# Allegro board pc051c_toplevel_209edited.brd (continued)
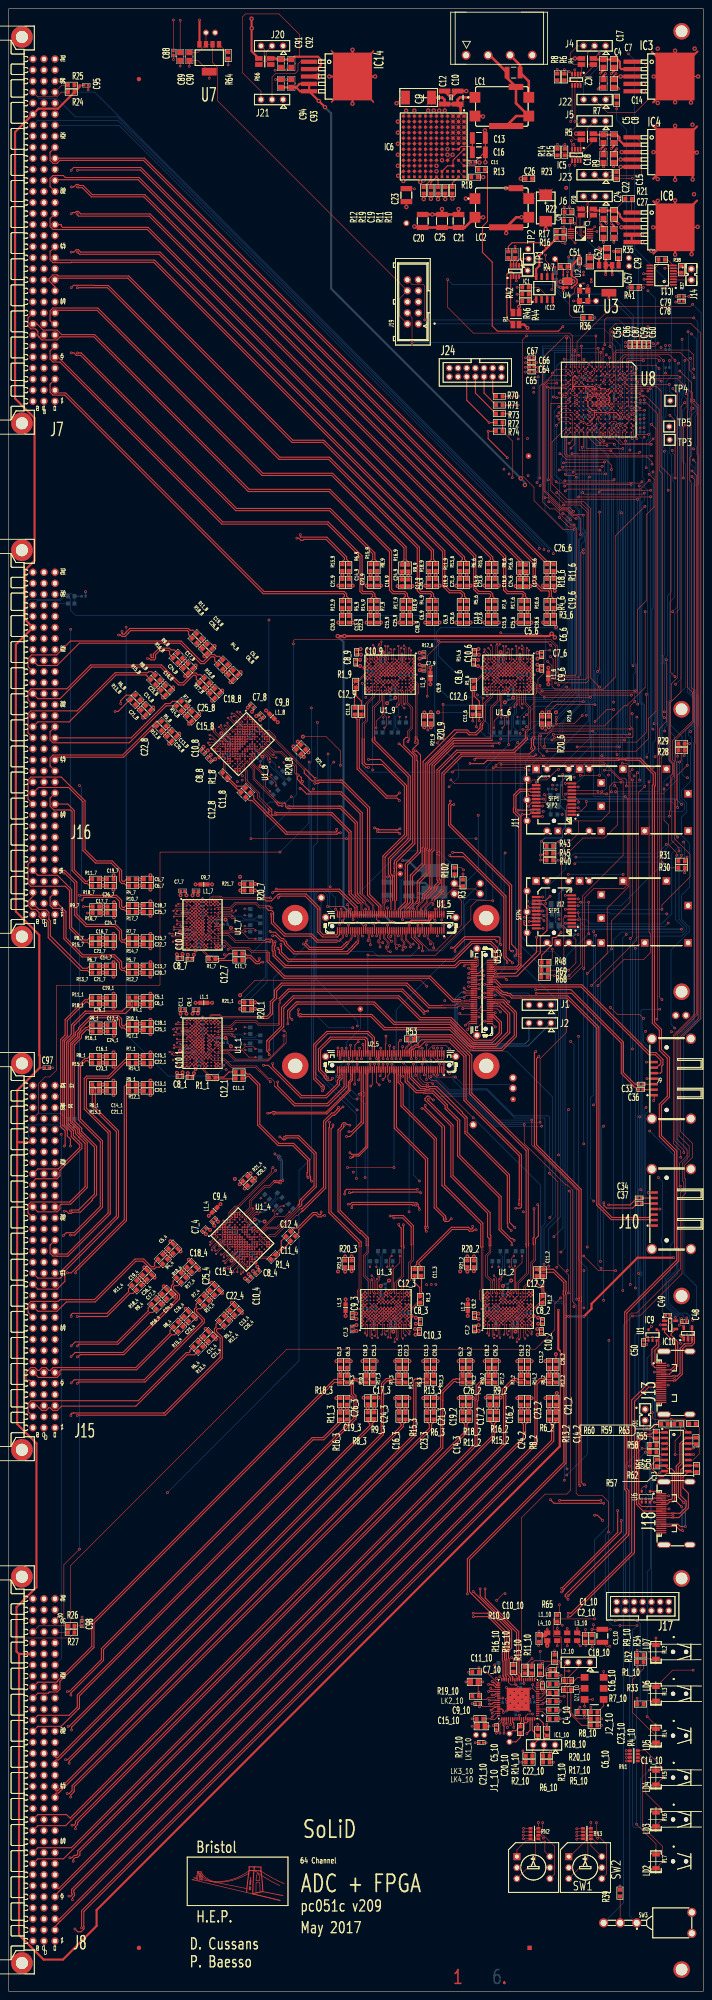
[diagram p0: board, top side]
## Placement (name value [footprint] x y rotation side) (continued)
C28_8  100nF  [C0402]  50.39 288.77 315 bottom
C28_9  100nF  [C0402]  86.65 306.65 270 bottom
C29  22uF  [C0805]  137 404.5 270 top
C30  1uF  [C0402]  126.8 277.55 0 bottom
C31  1uF  [C0402]  128.8 279.35 180 bottom
C32  100nF  [C0402]  122.5 279.4 180 bottom
C33  100nF  [C0402]  145.65 208.75 180 top
C34  100nF  [C0402]  145.2 182.55 180 top
C35  1uF  [C0402]  121.55 274.35 0 bottom
C36  100nF  [C0402]  145.6 207.5 180 top
C37  100nF  [C0402]  145.2 181.25 180 top
C38  22uF  [C0603]  125.6 270.8 180 bottom
C39  100nF  [C0402]  124.75 276.65 180 bottom
C40  1uF  [C0402]  128.05 253.45 180 bottom
C41  22uF  [C0603]  121.3 271.5 180 bottom
C42  1uF  [C0402]  129.9 243.15 180 bottom
C43  100nF  [C0402]  121.55 248.8 0 bottom
C44  1uF  [C0402]  121.55 247.75 0 bottom
C45  22uF  [C0603]  121.65 250.4 0 bottom
C46  100nF  [C0402]  121.55 246.7 0 bottom
C47  22uF  [C0603]  125.9 247.8 180 bottom
C48  100nF  [C0402]  155.65 154.05 180 top
C49  100nF  [C0402]  151.8 155.55 180 top
C50  100nF  [C0402]  146.25 149.3 90 top
C51  100nF  [C0402]  131.55 398.15 90 top
C52  22uF  [C0805]  133.85 397.95 90 top
C53  100nF  [C0402]  151.75 377.8 180 bottom
C54  100nF  [C0402]  151.75 373.6 180 bottom
C55  100nF  [C0402]  145.95 365.35 180 bottom
C56  100nF  [C0402]  143.1 378.95 90 top
C57  22uF  [C0805]  137.8 400.1 270 top
C58  100nF  [C0402]  145.9 362.75 180 bottom
C59  100nF  [C0402]  146.35 378.95 90 top
C60  100nF  [C0402]  147.45 378.95 90 top
C61  100nF  [C0402]  129.85 376 90 bottom
C62  100nF  [C0402]  139.45 369.25 0 bottom
C63  100nF  [C0402]  137.4 364.25 180 bottom
C64  100nF  [C0402]  120.5 373.7 0 top
C65  100nF  [C0402]  120.5 372.6 0 top
C66  100nF  [C0402]  120.45 374.75 0 top
C67  100nF  [C0402]  120.45 375.85 0 top
C68  100nF  [C0402]  132.9 367.35 270 bottom
C69  100nF  [C0402]  138.9 362.25 180 bottom
C70  100nF  [C0402]  139.4 366.75 90 bottom
C71  100nF  [C0402]  130.65 396.1 180 bottom
C72  100nF  [C0402]  133.4 369.25 0 bottom
C73  22uF  [C0805]  130.3 397.85 180 bottom
C74  100nF  [C0402]  132.4 371.25 180 bottom
C75  100nF  [C0402]  132.4 362.25 0 bottom
C76  100nF  [C0402]  140.9 361.25 90 bottom
C77  22uF  [C0805]  125.8 394.6 270 bottom
C78  1uF  [C0402]  155 388.9 0 top
C79  1uF  [C0402]  155 390 0 top
C80  1uF  [C0402]  92.25 248.9 270 bottom
C81  1uF  [C0402]  91.2 248.9 270 bottom
C82  1uF  [C0402]  96.05 248.35 270 bottom
C83  1uF  [C0402]  94.95 248.35 270 bottom
C84  100nF  [C0402]  145.9 360.9 180 bottom
C85  100nF  [C0402]  145.9 358.8 180 bottom
C86  100nF  [C0402]  144.2 378.95 90 top
C87  100nF  [C0402]  145.25 378.95 90 top
C88  100nF  [C0402]  37.95 446 90 top
C89  22uF  [C0805]  39.5 445.2 90 top
C90  22uF  [C0805]  41.6 445.2 90 top
C91  22uF  [C0805]  62.7 443.6 90 top
C92  22uF  [C0805]  65.1 443.6 90 top
C93  22uF  [C0805]  65.1 439 270 top
C94  22uF  [C0805]  62.7 439 270 top
C95  1uF  [C0402]  17.85 438.6 180 top
C96  1uF  [C0402]  17.25 321 180 bottom
C97  1uF  [C0402]  8.8 212.5 180 top
C98  1uF  [C0402]  16.9 84.6 270 top
IC1  -  [SOT65P280X145-8N]  116.6 395.85 90 top
IC1_10  -  [QFN50P900X900X90-65N-S530]  117.35 67.2 180 top
IC2  -  [SOT65P280X145-8N]  130.75 439.85 270 top
IC3  3.3V  [TO263_5SH]  143.5 444 180 top
IC4  2.5V  [TO263_5SH]  143.5 426.6 180 top
IC5  -  [SOT65P280X145-8N]  130.75 422.55 270 top
IC6  -  [LGA133S127P12X12_05-08-1766]  97.9 424.5 270 top
IC7  -  [SOP50P490X110-10N]  131.7 404.45 180 top
IC8  1.8V  [TO263_5SH]  143.5 409.3 180 top
IC9  -  [SOT95P280X145-5N]  152.35 153.35 0 top
IC10  -  [SOT95P280X145-5N]  156.45 151.4 90 top
IC11  -  [SOP64P600X175-16N]  150.4 394.9 180 top
IC12  -  [SOIC127P600X175-8N]  123.4 391.9 90 top
IC13  -  [SOIC127P600X175-16N]  153.8 124.15 0 top
IC14  3.3V  [TO263_5SH]  69.2 444 180 top
J1  -  [CONHE13D3X1M]  124.9 226.95 180 top
J1_10  -  [CONHE13D3X1M]  125.85 56.7 180 top
J2  -  [CONHE13D3X1M]  124.9 222.8 180 top
J2_10  -  [CONHE13D3X1M]  133.85 75.7 180 top
J3  -  [CON4SL50890B]  105.35 445.5 90 top
J4  -  [CONHE13D3X1M]  137.5 447.65 180 top
J5  -  [CONHE13D3X1M]  137.5 430.35 180 top
J6  -  [CONHE13D3X1M]  137.5 413 180 top
J7  -  [HARTING_0903196X921]  5.59 365.88 180 top
J8  -  [HARTING_0903196X921]  5.59 11.58 180 top
J9  -  [MOLEX_47082-001]  148.69 210 90 top
J10  -  [MOLEX_47082-001]  148.69 180 90 top
J11  -  [TYCO_1367073]  125.6 274.12 180 top
J12  -  [TYCO_1367073]  125.6 248.38 180 top
J13  -  [SAMTEC_HDMI-19-01-X-SM]  150.31 140 90 top
J14  -  [SAMTEC_TSW-102-23-L-S]  157.25 395.05 270 top
J15  -  [HARTING_0903196X921]  5.59 129.68 180 top
J16  -  [HARTING_0903196X921]  5.59 247.78 180 top
J17  -  [CON14MD_2MM]  140.05 87.6 90 top
J18  -  [SAMTEC_HDMI-19-01-X-SM]  150.31 110 90 top
J19  -  [AVX_00-8380-010-00X-0X-X]  93.1 388.75 90 top
J20  -  [CONHE13D3X1M]  63.2 447.65 180 top
J21  -  [CONHE13D3X1M]  63.2 435.3 180 top
J22  -  [CONHE13D3X1M]  137.5 435.3 180 top
J23  -  [CONHE13D3X1M]  137.5 418 180 top
J24  -  [CON14MD_2MM]  113.5 373.51 270 top
J31  -  [SAMTEC_TSW-102-23-L-S]  146.6 132.65 270 top
L1  -  [INDC_WURTH_7427511]  98.05 255.4 90 bottom
L1_1  330R@100MHz  [INDC1608X95N]  44.95 227.45 0 top
L1_2  330R@100MHz  [INDC1608X95N]  105.75 157.3 90 top
L1_3  330R@100MHz  [INDC1608X95N]  77.6 157.3 90 top
L1_4  330R@100MHz  [INDC1608X95N]  47.44 179.79 45 top
L1_6  330R@100MHz  [INDC1608X95N]  124.3 302.65 270 top
L1_7  330R@100MHz  [INDC1608X95N]  44.95 254.7 0 top
L1_8  330R@100MHz  [INDC1608X95N]  60.64 293.36 315 top
L1_9  330R@100MHz  [INDC1608X95N]  97.15 302.65 270 top
L1_10  -  [INDC2012X90N]  128.65 81.6 270 top
L2  -  [INDC2012X90N]  125.65 272.75 180 bottom
L2_10  -  [INDC2012X90N]  126.35 81.6 270 top
L3  -  [INDC2012X90N]  125.85 250.15 180 bottom
L3_10  -  [INDC2012X90N]  130.95 81.6 270 top
L4  -  [INDC2012X90N]  125.65 275 0 bottom
L4_10  -  [INDC2012X90N]  124.05 81.6 270 top
L5  -  [INDC2012X90N]  125.85 245.25 0 bottom
LC1  -  [MURATA_BNX02]  113.6 433.7 0 top
LC2  -  [MURATA_BNX02]  113.6 410.4 0 top
LD2  Yellow  [D1206]  149.1 31.5 270 top
LD3  Green  [D1206]  149.1 41.14 270 top
LD4  Red  [D1206]  149.1 50.78 270 top
LD5  Red  [D1206]  149.1 60.42 270 top
LD6  Yellow  [D1206]  149.1 70.06 270 top
LD7  Green  [D1206]  149.1 79.7 270 top
LK1  -  [1-HOLE_1-0P]  116.15 207.8 0 top
LK1_5  -  [FXG_M3]  66 212.95 0 top
LK1_10  -  [1-HOLE_0-8P]  109.55 59 180 top
LK2  -  [1-HOLE_1-0P]  108.6 254.9 0 top
LK2_5  -  [FXG_M3]  110 212.95 0 top
LK2_10  -  [1-HOLE_0-8P]  107.65 59 180 top
LK3  -  [1-HOLE_1-0P]  102.65 252.55 0 top
LK3_5  -  [FXG_M3]  66 246.95 0 top
LK3_10  -  [1-HOLE_0-8P]  115.35 59.3 180 top
LK4  -  [1-HOLE_1-0P]  102.65 254.9 0 top
LK4_5  -  [FXG_M3]  110 246.95 0 top
LK4_10  -  [1-HOLE_0-8P]  115.35 57.4 180 top
LK5  -  [1-HOLE_1-0P]  72 251.65 0 top
LK6  -  [1-HOLE_1-0P]  108.6 252.55 0 top
LK7  -  [1-HOLE_1-0P]  116.15 210.2 0 top
LK8  -  [1-HOLE_1-0P]  156 224.55 0 top
LK9  -  [1-HOLE_1-0P]  153.65 224.55 0 top
LK10  -  [1-HOLE_0-4P]  116.2 205.25 0 top
LK11  -  [1-HOLE_0-4P]  90.2 257.15 0 top
LK12  -  [1-HOLE_0-4P]  90.2 258.95 0 top
LK13  -  [1-HOLE_0-8P]  91.6 406.85 0 top
LK14  -  [1-HOLE_0-8P]  142.9 396.95 0 top
LK15  -  [1-HOLE_0-8P]  142.85 398.85 0 top
LK16  -  [1-HOLE_0-8P]  135.3 388.95 0 top
LK17  -  [1-HOLE_0-8P]  125.85 398.6 0 top
LK18  -  [1-HOLE_0-8P]  119.65 400.9 0 top
LK19  -  [1-HOLE_1-0P]  107 199.4 0 top
LK20  -  [1-HOLE_0-8P]  45.45 450.7 0 top
LK21  -  [1-HOLE_0-8P]  47.55 450.7 0 top
LK22  -  [1-HOLE_0-4P]  81 226 0 top
LK23  -  [1-HOLE_0-4P]  119.74 353.27 0 top
NOREF  -  []  40.15 223.78 0 top
NOREF#2  -  [unnamed#2]  120 10 0 top
NOREF#3  -  []  109.38 307.45 90 top
NOREF#4  -  []  46.64 173.8 45 top
NOREF#5  -  []  119.4 299.35 0 top
NOREF#6  -  [unnamed#3]  30 440 0 top
NOREF#7  -  []  110.65 160.6 180 top
NOREF#8  -  []  160 0 90 top
NOREF#9  -  [unnamed#4]  155 95 0 top
NOREF#10  -  [unnamed#4]  155 160 0 top
NOREF#11  -  []  0 456.2 0 top
NOREF#12  -  []  53.23 178.66 90 top
NOREF#13  -  []  48.25 249.8 90 top
NOREF#14  -  []  40.15 239.78 90 top
NOREF#15  -  []  40.15 251.03 0 top
NOREF#16  -  [unnamed#4]  155 5 0 top
NOREF#17  -  []  81.28 152.5 90 top
NOREF#18  -  []  53.23 178.66 135 top
NOREF#19  -  []  46.69 297.45 0 top
NOREF#20  -  []  -78 -58.5 0 top
NOREF#21  -  [unnamed#3]  30 10 0 top
NOREF#22  -  []  54.6 177.09 0 top
NOREF#23  -  []  40.15 212.53 90 top
NOREF#24  -  []  48.25 249.8 90 top
NOREF#25  -  []  93.47 307.45 270 top
NOREF#26  -  []  109.38 318.7 0 top
NOREF#27  -  []  109.85 160.6 0 top
NOREF#28  -  []  102.13 1.85 0 top
NOREF#29  -  []  82.5 160.6 180 top
NOREF#30  -  []  48.25 222.55 90 top
NOREF#31  -  []  92.25 299.35 0 top
NOREF#32  -  [unnamed#4]  155 230 0 top
NOREF#33  -  []  120.67 152.5 90 top
NOREF#34  -  []  120.62 307.45 270 top
NOREF#35  -  []  59.51 287.57 90 top
NOREF#36  -  [unnamed#4]  155 295 0 top
NOREF#37  -  []  54.65 294.16 315 top
NOREF#38  -  []  82.22 318.7 0 top
NOREF#39  -  [unnamed#4]  155 451 0 top
NOREF#40  -  []  46.69 286.2 90 top
NOREF#41  -  []  81.7 160.6 0 top
NOREF#42  -  []  48.25 222.55 90 top
NOREF#43  -  []  40.15 251.03 0 top
NOREF#44  -  []  119.4 299.35 0 top
NOREF#45  -  []  92.53 163.75 0 top
NOREF#46  -  []  82.22 307.45 90 top
NOREF#47  -  []  92.53 152.5 90 top
NOREF#48  -  []  92.25 299.35 0 top
NOREF#49  -  []  109.42 152.5 90 top
NOREF#50  -  []  54.6 165.84 90 top
NOREF#51  -  []  59.51 287.57 45 top
NOREF#52  -  []  120.67 163.75 0 top
NOREF#53  -  []  40.15 223.78 0 top
NOREF#54  -  [unnamed#2]  120 10 180 bottom
NOREF#55  -  [unnamed#3]  30 440 180 bottom
NOREF#56  -  []  52.7 24.6 180 bottom
NOREF#57  -  [unnamed#3]  30 10 180 bottom
PL2  -  [PIPELIGHT_DIALIGHT_515-1049]  153.03 78.1 90 top
PL3  -  [PIPELIGHT_DIALIGHT_515-1049]  153.03 68.46 90 top
PL4  -  [PIPELIGHT_DIALIGHT_515-1049]  153.03 58.82 90 top
PL5  -  [PIPELIGHT_DIALIGHT_515-1049]  153.03 49.18 90 top
PL6  -  [PIPELIGHT_DIALIGHT_515-1049]  153.03 39.54 90 top
PL7  -  [PIPELIGHT_DIALIGHT_515-1049]  153.03 29.9 90 top
QZ1  16.0MHz  [QZSMD_32X25]  133.4 391.35 270 top
QZ1_10  50MHz  [OSCSC254P520X750X140-6N]  134.85 69.7 180 top
R1  0.05  [RES_LVK12]  116.85 384.9 270 top
R1_1  100  [C0603]  46.85 210.25 180 top
R1_2  100  [C0603]  122.95 159.2 270 top
R1_3  100  [C0603]  94.8 159.2 270 top
R1_4  100  [C0603]  60.94 168.97 225 top
R1_6  100  [C0603]  107.1 300.75 90 top
R1_7  100  [C0603]  46.85 237.5 180 top
R1_8  100  [C0603]  49.82 279.86 135 top
R1_9  100  [C0603]  79.95 300.75 90 top
R1_10  1k  [C0603]  134.85 64.2 180 top
R2  1k  [C0603]  116.65 399.6 270 top
R2_1  0R0  [C0402]  44.65 220.95 270 bottom
R2_2  0R0  [C0402]  112.25 157 0 bottom
R2_3  0R0  [C0402]  84.1 157 0 bottom
R2_4  0R0  [C0402]  51.82 174.98 315 bottom
R2_6  0R0  [C0402]  117.8 302.95 180 bottom
R2_7  0R0  [C0402]  44.65 248.2 270 bottom
R2_8  0R0  [C0402]  55.83 288.98 225 bottom
R2_9  0R0  [C0402]  90.65 302.95 180 bottom
R2_10  130  [C0603]  119.85 54.2 180 top
R3  1k  [C0603]  104.65 255.05 90 top
R3_1  200  [C0603]  28.5 228.65 0 top
R3_2  200  [C0603]  104.55 140.85 90 top
R3_3  200  [C0603]  76.4 140.85 90 top
R3_4  200  [C0603]  34.96 169 45 top
R3_6  200  [C0603]  125.5 319.1 270 top
R3_7  200  [C0603]  28.5 255.9 0 top
R3_8  200  [C0603]  49.85 305.84 315 top
R3_9  200  [C0603]  98.35 319.1 270 top
R3_10  82  [C0603]  119.85 52.7 0 top
R4  0.05  [RES_LVK12]  133.3 444.05 0 top
R4_1  200  [C0603]  28.5 227.15 0 top
R4_2  200  [C0603]  106.05 140.85 90 top
R4_3  200  [C0603]  77.9 140.85 90 top
R4_4  200  [C0603]  36.02 167.94 45 top
R4_6  200  [C0603]  124 319.1 270 top
R4_7  200  [C0603]  28.5 254.4 0 top
R4_8  200  [C0603]  48.79 304.78 315 top
R4_9  200  [C0603]  96.85 319.1 270 top
R4_10  XX  [C0603]  134.85 62.7 180 top
R5  0.05  [RES_LVK12]  133.3 426.75 0 top
R5_1  200  [C0603]  28.5 208.65 0 top
R5_2  200  [C0603]  124.55 140.85 90 top
R5_3  200  [C0603]  96.4 140.85 90 top
R5_4  200  [C0603]  49.1 154.86 45 top
R5_6  200  [C0603]  105.5 319.1 270 top
R5_7  200  [C0603]  28.5 235.9 0 top
R5_8  200  [C0603]  35.71 291.7 315 top
R5_9  200  [C0603]  78.35 319.1 270 top
R5_10  130  [C0603]  123.85 54.2 0 top
R6  1k  [C0603]  128 440.5 270 top
R6_1  200  [C0603]  20 208.65 0 top
R6_2  200  [C0603]  124.55 132.35 90 top
R6_3  200  [C0603]  96.4 132.35 90 top
R6_4  200  [C0603]  43.09 148.85 45 top
R6_6  200  [C0603]  105.5 327.6 270 top
R6_7  200  [C0603]  20 235.9 0 top
R6_8  200  [C0603]  29.7 297.71 315 top
R6_9  200  [C0603]  78.35 327.6 270 top
R6_10  82  [C0603]  123.85 52.7 180 top
R7  1k  [C0603]  140.05 435.15 90 top
R7_1  200  [C0603]  28.5 215.15 0 top
R7_2  200  [C0603]  118.05 140.85 90 top
R7_3  200  [C0603]  89.9 140.85 90 top
R7_4  200  [C0603]  44.5 159.46 45 top
R7_6  200  [C0603]  112 319.1 270 top
R7_7  200  [C0603]  28.5 242.4 0 top
R7_8  200  [C0603]  40.31 296.3 315 top
R7_9  200  [C0603]  84.85 319.1 270 top
R7_10  XX  [C0603]  134.85 61.2 180 top
R8  1k  [C0603]  126.35 440.5 270 top
R8_1  200  [C0603]  20 215.15 0 top
R8_2  200  [C0603]  118.05 132.35 90 top
R8_3  200  [C0603]  89.9 132.35 90 top
R8_4  200  [C0603]  38.49 153.45 45 top
R8_6  200  [C0603]  112 327.6 270 top
R8_7  200  [C0603]  20 242.4 0 top
R8_8  200  [C0603]  34.3 302.31 315 top
R8_9  200  [C0603]  84.85 327.6 270 top
R8_10  100  [C0603]  125.35 68.7 180 top
R9  1k  [C0603]  140 417.85 90 top
R9_1  200  [C0603]  20.1 222.35 0 top
R9_2  200  [C0603]  110.85 132.45 90 top
R9_3  200  [C0603]  82.7 132.45 90 top
R9_4  200  [C0603]  33.47 158.61 45 top
R9_6  200  [C0603]  119.2 327.5 270 top
R9_7  200  [C0603]  20.1 249.6 0 top
R9_8  200  [C0603]  39.46 307.33 315 top
R9_9  200  [C0603]  92.05 327.5 270 top
R9_10  1k  [C0603]  125.35 66.7 0 top
R10  XX  [C0603]  102.2 414.4 90 top
R10_1  200  [C0603]  28.5 222.65 0 top
R10_2  200  [C0603]  110.55 140.85 90 top
R10_3  200  [C0603]  82.4 140.85 90 top
R10_4  200  [C0603]  39.2 164.76 45 top
R10_6  200  [C0603]  119.5 319.1 270 top
R10_7  200  [C0603]  28.5 249.9 0 top
R10_8  200  [C0603]  45.61 301.6 315 top
R10_9  200  [C0603]  92.35 319.1 270 top
R10_10  1k  [C0603]  120.45 73.9 90 top
R11  XX  [C0603]  100.55 414.4 270 top
R11_1  200  [C0603]  20 228.65 0 top
R11_2  200  [C0603]  104.55 132.35 90 top
R11_3  200  [C0603]  76.4 132.35 90 top
R11_4  200  [C0603]  28.95 162.99 45 top
R11_6  200  [C0603]  125.5 327.6 270 top
R11_7  200  [C0603]  20 255.9 0 top
R11_8  200  [C0603]  43.84 311.85 315 top
R11_9  200  [C0603]  98.35 327.6 270 top
R11_10  1k  [C0603]  125.35 72.7 0 top
R12  100k  [C0603]  95.6 414.4 90 top
R12_1  200  [C0603]  28.5 207.15 0 top
R12_2  200  [C0603]  126.05 140.85 90 top
R12_3  200  [C0603]  97.9 140.85 90 top
R12_4  200  [C0603]  50.16 153.8 45 top
R12_6  200  [C0603]  104 319.1 270 top
R12_7  200  [C0603]  28.5 234.4 0 top
R12_8  200  [C0603]  34.65 290.64 315 top
R12_9  200  [C0603]  76.85 319.1 270 top
R12_10  1k  [C0603]  108.55 62.7 0 top
R13  100k  [C0603]  108.95 419.2 180 top
R13_1  200  [C0603]  20 207.15 0 top
R13_2  200  [C0603]  126.05 132.35 90 top
R13_3  200  [C0603]  97.9 132.35 90 top
R13_4  200  [C0603]  44.15 147.79 45 top
R13_6  200  [C0603]  104 327.6 270 top
R13_7  200  [C0603]  20 234.4 0 top
R13_8  200  [C0603]  28.64 296.65 315 top
R13_9  200  [C0603]  76.85 327.6 270 top
R13_10  1k  [C0603]  122.45 73.9 270 top
R14  1k  [C0603]  126.4 423.2 270 top
R14_1  200  [C0603]  28.5 213.65 0 top
R14_2  200  [C0603]  119.55 140.85 90 top
R14_3  200  [C0603]  91.4 140.85 90 top
R14_4  200  [C0603]  45.56 158.4 45 top
R14_6  200  [C0603]  110.5 319.1 270 top
R14_7  200  [C0603]  28.5 240.9 0 top
R14_8  200  [C0603]  39.25 295.24 315 top
R14_9  200  [C0603]  83.35 319.1 270 top
R14_10  100  [C0603]  117.85 60.2 270 top
R15  1k  [C0603]  128.1 423.2 90 top
R15_1  200  [C0603]  20 213.65 0 top
R15_2  200  [C0603]  119.55 132.35 90 top
R15_3  200  [C0603]  91.4 132.35 90 top
R15_4  200  [C0603]  39.55 152.39 45 top
R15_6  200  [C0603]  110.5 327.6 270 top
R15_7  200  [C0603]  20 240.9 0 top
R15_8  200  [C0603]  33.24 301.25 315 top
R15_9  200  [C0603]  83.35 327.6 270 top
R15_10  1k  [C0603]  116.25 74.3 270 top
R16  1k  [C0603]  127 403.4 180 top
R16_1  200  [C0603]  20.1 220.85 0 top
R16_2  200  [C0603]  112.35 132.45 90 top
R16_3  200  [C0603]  84.2 132.45 90 top
R16_4  200  [C0603]  34.53 157.55 45 top
R16_6  200  [C0603]  117.7 327.5 270 top
R16_7  200  [C0603]  20.1 248.1 0 top
R16_8  200  [C0603]  38.4 306.27 315 top
R16_9  200  [C0603]  90.55 327.5 270 top
R16_10  1k  [C0603]  118.85 73.9 270 top
R17  1k  [C0603]  127 404.95 180 top
R17_1  200  [C0603]  28.5 221.15 0 top
R17_2  200  [C0603]  112.05 140.85 90 top
R17_3  200  [C0603]  83.9 140.85 90 top
R17_4  200  [C0603]  40.26 163.7 45 top
R17_6  200  [C0603]  118 319.1 270 top
R17_7  200  [C0603]  28.5 248.4 0 top
R17_8  200  [C0603]  44.55 300.54 315 top
R17_9  200  [C0603]  90.85 319.1 270 top
R17_10  1k  [C0603]  125.35 62.7 180 top
R18  390k  [C0603]  107.3 417.45 180 top
R18_1  200  [C0603]  20 227.15 0 top
R18_2  200  [C0603]  106.05 132.35 90 top
R18_3  200  [C0603]  77.9 132.35 90 top
R18_4  200  [C0603]  30.01 161.93 45 top
R18_6  200  [C0603]  124 327.6 270 top
R18_7  200  [C0603]  20 254.4 0 top
R18_8  200  [C0603]  42.78 310.79 315 top
R18_9  200  [C0603]  96.85 327.6 270 top
R18_10  1k  [C0603]  125.35 70.7 180 top
R19  22.6k  [C0603]  97.25 414.4 90 top
R19_1  XX  [C0402]  44.65 222.95 270 bottom
R19_2  XX  [C0402]  110.25 157 0 bottom
R19_3  XX  [C0402]  82.1 157 0 bottom
R19_4  XX  [C0402]  50.41 176.39 315 bottom
R19_6  XX  [C0402]  119.8 302.95 180 bottom
R19_7  XX  [C0402]  44.65 250.2 270 bottom
R19_8  XX  [C0402]  57.24 290.39 225 bottom
R19_9  XX  [C0402]  92.65 302.95 180 bottom
R19_10  1k  [C0603]  107.55 67.9 180 top
R20  0.05  [RES_LVK12]  133.3 409.4 0 top
R20_1  1k  [C0603]  55.05 226.05 0 top
R20_2  1k  [C0603]  107.15 167.4 90 top
R20_3  1k  [C0603]  79 167.4 90 top
R20_4  1k  [C0603]  55.57 185.94 45 top
R20_6  1k  [C0603]  122.9 292.55 270 top
R20_7  1k  [C0603]  55.05 253.3 0 top
R20_8  1k  [C0603]  66.79 285.23 315 top
R20_9  1k  [C0603]  95.75 292.55 270 top
R20_10  1k  [C0603]  125.35 64.7 180 top
R21  00  [C0603]  142.8 412.45 0 top
R21_1  1k  [C0603]  55.05 227.55 0 top
R21_2  1k  [C0603]  105.65 167.4 90 top
R21_3  1k  [C0603]  77.5 167.4 90 top
R21_4  1k  [C0603]  54.51 187 45 top
R21_6  1k  [C0603]  124.4 292.55 270 top
R21_7  1k  [C0603]  55.05 254.8 0 top
R21_8  1k  [C0603]  67.85 286.29 315 top
R21_9  1k  [C0603]  97.25 292.55 270 top
R22  1k  [C0603]  128.7 407.4 180 top
R22_1  100  [C0603]  55.65 217.35 90 bottom
R22_2  100  [C0603]  115.85 168 180 bottom
R22_3  100  [C0603]  87.7 168 180 bottom
R22_4  100  [C0603]  62.14 180.21 135 bottom
R22_6  100  [C0603]  114.2 291.95 0 bottom
R22_7  100  [C0603]  55.65 244.6 90 bottom
R22_8  100  [C0603]  61.06 278.66 45 bottom
R22_9  100  [C0603]  87.05 291.95 0 bottom
R23  1k  [C0603]  128.8 409.45 180 top
R23_1  100  [C0603]  55.65 221.05 270 bottom
R23_2  100  [C0603]  112.15 168 0 bottom
R23_3  100  [C0603]  84 168 0 bottom
R23_4  100  [C0603]  59.53 182.83 315 bottom
R23_6  100  [C0603]  117.9 291.95 180 bottom
R23_7  100  [C0603]  55.65 248.3 270 bottom
R23_8  100  [C0603]  63.68 281.27 225 bottom
R23_9  100  [C0603]  90.75 291.95 180 bottom
R24  1k  [C0603]  14.4 437 0 top
R24_1  100  [C0603]  57.95 215.65 270 bottom
R24_2  100  [C0603]  117.55 170.3 0 bottom
R24_3  100  [C0603]  89.4 170.3 0 bottom
R24_4  100  [C0603]  64.97 180.64 315 bottom
R24_6  100  [C0603]  112.5 289.65 180 bottom
R24_7  100  [C0603]  57.95 242.9 270 bottom
R24_8  100  [C0603]  61.49 275.83 225 bottom
R24_9  100  [C0603]  85.35 289.65 180 bottom
R25  1k  [C0603]  14.4 438.6 0 top
R25_1  100  [C0603]  57.95 219.25 90 bottom
R25_2  100  [C0603]  113.95 170.3 180 bottom
R25_3  100  [C0603]  85.8 170.3 180 bottom
R25_4  100  [C0603]  62.43 183.18 135 bottom
R25_6  100  [C0603]  116.1 289.65 0 bottom
R25_7  100  [C0603]  57.95 246.5 90 bottom
R25_8  100  [C0603]  64.03 278.37 45 bottom
R25_9  100  [C0603]  88.95 289.65 0 bottom
R26  1k  [C0603]  14.4 84.1 0 top
R27  1k  [C0603]  14.4 82.55 0 top
R28  00  [C0603]  155 285.55 180 top
R29  00  [C0603]  155 287.1 0 top
R30  00  [C0603]  155 258.5 180 top
R31  00  [C0603]  155 260.05 0 top
R32  150  [C0603]  145.5 75.75 0 top
R33  150  [C0603]  145.5 66.1 0 top
R34  150  [C0603]  145.5 77.4 0 top
R35  1k  [C0603]  140.45 399.6 90 top
R36  1k  [C0603]  133.2 385.1 0 top
R37  1k  [C0603]  154.95 396.2 90 top
R38  1k  [C0603]  150.4 398.5 0 top
R39  100  [C0603]  140.8 22.6 90 top
R40  1k  [C0603]  124.65 260.25 180 top
R41  1k  [C0603]  144.3 392.05 180 top
R42  1k  [C0603]  119.05 392.1 180 top
R43  1k  [C0603]  124.65 263.55 180 top
R44  1k  [C0603]  119.05 390.5 180 top
R45  1k  [C0603]  124.65 261.85 180 top
R46  1k  [C0603]  119.05 388.9 180 top
R47  1k  [C0603]  127.95 396.85 0 top
R48  1k  [C0603]  123.5 236.75 180 top
R49  1k  [C0603]  14.4 200.7 0 bottom
R50  1k  [C0603]  14.4 199.1 0 bottom
R51  1k  [C0603]  14.4 321 0 bottom
R52  1k  [C0603]  14.4 319.3 0 bottom
R53  100  [C0603]  92.6 219.15 0 top
R54  100  [C0603]  93.45 219.2 180 bottom
R55  100  [C0603]  149.15 127.95 270 top
R56  100  [C0603]  149.3 121.6 90 top
R57  100  [C0603]  158.45 120.25 90 top
R58  100  [C0603]  158.3 126.65 270 top
R59  1k  [C0603]  154.05 130.55 0 top
R60  1k  [C0603]  151.05 130.55 0 top
R61  100  [C0603]  148.45 125.65 180 top
R62  100  [C0603]  148.45 124.05 180 top
R63  100  [C0603]  157.5 130.6 180 top
R64  1k  [C0603]  50.55 445.45 270 top
R65  1k  [C0603]  126.35 85.8 270 top
R66  0.05  [RES_LVK12]  59 444.05 0 top
R67  1k  [C0603]  115.1 399.6 90 top
R68  1k  [C0603]  123.4 233.35 180 top
R69  1k  [C0603]  123.45 235 180 top
R70  00  [C0603]  113 367 0 top
R71  00  [C0603]  113 365 0 top
R72  00  [C0603]  113 361 180 top
R73  00  [C0603]  113 363 0 top
R74  XX  [C0603]  113 359 180 top
R102  XX  [C0603]  102.7 257.8 90 top
RN1  150  [RN_YAGEO_TC164]  144 54.2 0 top
RN2  4.7k  [RN_YAGEO_TC164]  121.1 36.3 0 top
RN3  4.7k  [RN_YAGEO_TC164]  133.2 36.3 0 top
SFP1  -  [TYCO_6367034-1]  125.6 274.12 180 top
SFP2  -  [TYCO_6367035-1]  125.6 274.12 180 top
SFP3  -  [TYCO_6367034-1]  125.6 248.38 180 top
SFP4  -  [TYCO_6367035-1]  125.6 248.38 180 top
SW1  -  [ROTARYDIP_SW]  117.05 31 270 top
SW2  -  [ROTARYDIP_SW]  129 31 270 top
SW3  -  [CK_AV2-SPDT]  144.65 15.75 180 top
TP1  -  [TP_HOLE_08]  119.55 395.95 0 top
TP2  -  [TP_HOLE_08]  119.8 398.65 0 top
TP3  -  [TP_HOLE_08]  152.25 357 0 top
TP4  -  [TP_HOLE_08]  152.4 366 0 top
TP5  -  [TP_HOLE_08]  152.15 360.05 0 top
U1  -  [SOT23-5]  148.3 151 90 top
U1_1  -  [BGA140_11-25MMX9-00MMX2MM]  44.65 218.15 0 top
U1_2  -  [BGA140_11-25MMX9-00MMX2MM]  115.05 157 90 top
U1_3  -  [BGA140_11-25MMX9-00MMX2MM]  86.9 157 90 top
U1_4  -  [BGA140_11-25MMX9-00MMX2MM]  53.8 173 45 top
U1_5  -  [SAMTEC_LSHM-150-04-0-L-DV-A-S]  88 246 0 top
U1_6  -  [BGA140_11-25MMX9-00MMX2MM]  115 302.95 270 top
U1_7  -  [BGA140_11-25MMX9-00MMX2MM]  44.65 245.4 0 top
U1_8  -  [BGA140_11-25MMX9-00MMX2MM]  53.85 287 315 top
U1_9  -  [BGA140_11-25MMX9-00MMX2MM]  87.85 302.95 270 top
U2  -  [SOT23]  133.3 393.95 0 top
U2_5  -  [SAMTEC_LSHM-150-04-0-L-DV-A-S]  88 214 0 top
U3  -  [SOT223_5]  140.5 397.15 180 top
U3_5  -  [SAMTEC_LSHM-130-04-0-L-DV-A-S]  108.95 229.95 90 top
U4  -  [WSON6]  128.7 393.45 270 top
U6  -  [SOT23-5]  146.76 113.8 90 top
U7  -  [SOT223_5]  48.45 448 180 top
U8  -  [BGA256T16_100]  143.4 373.75 270 top

## Library data of the parts
C1 C30 C31 C35 C40 C42 C44 C78-C83 C95-C98 = CAPCERSMDCL2: part number: CAPCERSMDCL2_0402-1UF,16V; tolerance: 10%
C1_1-C1_4 C1_6-C1_9 C2_1-C2_4 C2_6-C2_9 C3_1-C3_4 C3_6-C3_9 C4_1-C4_4 C4_6-C4_10 C5_10 C7_1-C7_4 C7_6-C7_9 C8_1-C8_4 C8_6-C8_10 C9_1-C9_4 C9_6-C9_10 C10_1-C10_4 C10_6-C10_9 C11 C12_10 C13_10 C17_10 C18_10 C21_10 C27_1-C27_4 C27_6-C27_9 C28_1-C28_4 C28_6-C28_9 C32-C34 C36 C37 C39 C43 C46 C48-C51 C53-C56 C58-C72 C74-C76 C84-C88 = CAPCERSMDCL2: part number: CAPCERSMDCL2_0402-100NF,16V_GEN; tolerance: 10%
C1_10 C2_10 C10_10 C11_10 C19_10 C23_10 = CAPCERSMDCL2: part number: CAPCERSMDCL2_0603-10UF,6.3V; tolerance: 20%
C2 C3 C3_10 C6 C10 C12 C13 C16 = CAPCERSMDCL2: part number: CAPCERSMDCL2_1210-10UF,50V; tolerance: 10%
C4 C5 C7 C7_10 C8 C14 C15 C15_10 C17 C18 C22 C24 C27 C29 C52 C57 C73 C77 C89-C94 = CAPCERSMDCL2: part number: CAPCERSMDCL2_0805-22UF_X7R,10V_GEN; tolerance: 10%
C5_1-C5_4 C5_6-C5_9 C6_1-C6_4 C6_6-C6_9 C13_1-C13_4 C13_6-C13_9 C14_1-C14_4 C14_6-C14_9 C15_1-C15_4 C15_6-C15_9 C16_1-C16_4 C16_6-C16_9 C17_1-C17_4 C17_6-C17_9 C18_1-C18_4 C18_6-C18_9 C19 C19_1-C19_4 C19_6-C19_9 C20_1-C20_4 C20_6-C20_9 C21_1-C21_4 C21_6-C21_9 C22_1-C22_4 C22_6-C22_9 C23_1-C23_4 C23_6-C23_9 C24_1-C24_4 C24_6-C24_9 C25_1-C25_4 C25_6-C25_9 C26_1-C26_4 C26_6-C26_9 = CAPCERSMDCL1: part number: CAPCERSMDCL1_0603-100PF,50V; tolerance: 5%
C6_10 C11_1-C11_4 C11_6-C11_9 C12_1-C12_4 C12_6-C12_9 C14_10 C16_10 C20_10 C22_10 = CAPCERSMDCL2: part number: CAPCERSMDCL2_0603-100NF,16V; tolerance: 10%
C9 = ELCAPTAN: part number: ELCAPTAN_SMD-150UF,20V
C20 C21 C23 C25 = CAPCERSMDCL2: part number: CAPCERSMDCL2_1210-47UF_X5R,6.3V; tolerance: 20%
C26 = CAPCERSMDCL2: part number: CAPCERSMDCL2_0603-2.2UF,10V; tolerance: 10%
C28 = ELCAPTAN: part number: ELCAPTAN_SMD-220UF,6.3V
C38 C41 C45 C47 = CAPCERSMDCL2: part number: CAPCERSMDCL2_0603-22UF,4V; tolerance: 20%
IC1 IC2 IC5 = INA219: part number: INA219AIDCNT
IC1_10 = SI5345: part number: SI5345A-B-GM
IC3 IC14 = LT1764AEQ: part number: LT1764AEQ_TO263-3.3V
IC4 = LT1764AEQ: part number: LT1764AEQ_TO263-2.5V
IC6 = LTM4606: part number: LTM4606EV#PBF
IC7 = LTC2990: part number: LTC2990CMS#PBF
IC8 = LT1764AEQ: part number: LT1764AEQ_TO263-1.8V
IC9 IC10 = SN65LVDT2: part number: SN65LVDT2DBV
IC11 = LM82: part number: LM82CIMQA
IC12 = 24AA025E48: part number: 24AA025E48T-I/SN
IC13 = DS90LV032A: part number: DS90LV032ATM/NOPB
J1 J1_10 J2 J2_10 J4-J6 J20-J23 = CON3P: part number: CON3P-SIL254D
J3 = CON4P: part number: CON4P-SL508_4_90B
J7 J8 J15 J16 = CONABC96: part number: CONABC96-09 03 196 6921
J9 J10 = CON7P: part number: CON7P-47082-1000
J11 J12 = CON20P_SFP: part number: CON20P_SFP-1367073-1
J13 J18 = CON19P: part number: CON19P-HDMI-19-01-X-SM
J14 J31 = CON2P: part number: CON2P-TSW-102-23-L-S
J17 J24 = CON14P: part number: CON14P-MOLEX_87831
J19 = CON10P: part number: CON10P-AVX_008380010000010
L1 = FERRITE: part number: FERRITE_SMD-7427511,WURTH
L1_1-L1_4 L1_6-L1_9 = FERRITE: part number: FERRITE_SMD-MPZ1608S331A,TDK
L1_10 L2 L2_10 L3 L3_10 L4 L4_10 L5 = FERRITE: part number: FERRITE_C0805-LI0805H121R-10,LI0805H121R-10
LC1 LC2 = FILTER_BNX02: part number: FILTER_MURATA_BNX022-01
LD2 LD6 = LED: part number: LED-HSMY-C150
LD3 LD7 = LED: part number: LED-HSMG-C150
LD4 LD5 = LED: part number: LED-HSMH-C150
LK1-LK9 LK19 = 1-HOLE: part number: 1-HOLE_1-0-BASE
LK1_5 LK2_5 LK3_5 LK4_5 = 1-HOLE: part number: 1-HOLE_M3-BASE
LK1_10 LK2_10 LK3_10 LK4_10 LK13-LK18 LK20 LK21 = 1-HOLE: part number: 1-HOLE_0-8-BASE
LK10-LK12 LK22 LK23 = 1-HOLE: part number: 1-HOLE_0-4-BASE
PL2-PL7 = PIPELIGHT_1LED: part number: PIPELIGHT_1LED-515-1049
QZ1 = QZ_SG310: part number: QZ_SG310-16.0MHZ,SG_310_SCF
QZ1_10 = OSC_6P_EN_DIFFOUT: part number: MX575ABB50M0000
R1 R4 R5 R20 R66 = RES_SR: part number: RES_SR_LVK12-0.05,1%
R1_1-R1_4 R1_6-R1_9 R8_10 R14_10 R22_1-R22_4 R22_6-R22_9 R23_1-R23_4 R23_6-R23_9 R24_1-R24_4 R24_6-R24_9 R25_1-R25_4 R25_6-R25_9 R39 R53-R58 R61-R63 = RSMD0603: part number: RSMD0603_1/10W-100,1%; tolerance: 1%
R1_10 R2 R3 R6-R9 R9_10 R10_10 R11_10 R12_10 R13_10 R14 R15 R15_10 R16 R16_10 R17 R17_10 R18_10 R19_10 R20_1-R20_4 R20_6-R20_10 R21_1-R21_4 R21_6-R21_9 R22-R27 R35-R38 R40-R52 R59 R60 R64 R65 R67-R69 = RSMD0603: part number: RSMD0603_1/10W-1K,1%; tolerance: 1%
R2_1-R2_4 R2_6-R2_9 = RSMD0402: part number: RSMD0402_1/16W-0R0,1%; tolerance: 1%
R2_10 R5_10 = RSMD0603: part number: RSMD0603_1/10W-130,1%; tolerance: 1%
